# Altium PCB PicoBOB_DLX.pcbdoc (part 3 of 4)
Units mil, origin at the board's own origin, x right, y up, seen from the top; angles counter-clockwise.
Board outline 2219.49 x 2559.06 mil, 4 copper layers (Top Layer, G1_GND, G2_PWR, Bottom Layer), stack 23.756 mil thick; 146 components, 117 nets, 2972 pads, 241 vias.
Unrouted connection lines stored in the file: 14.
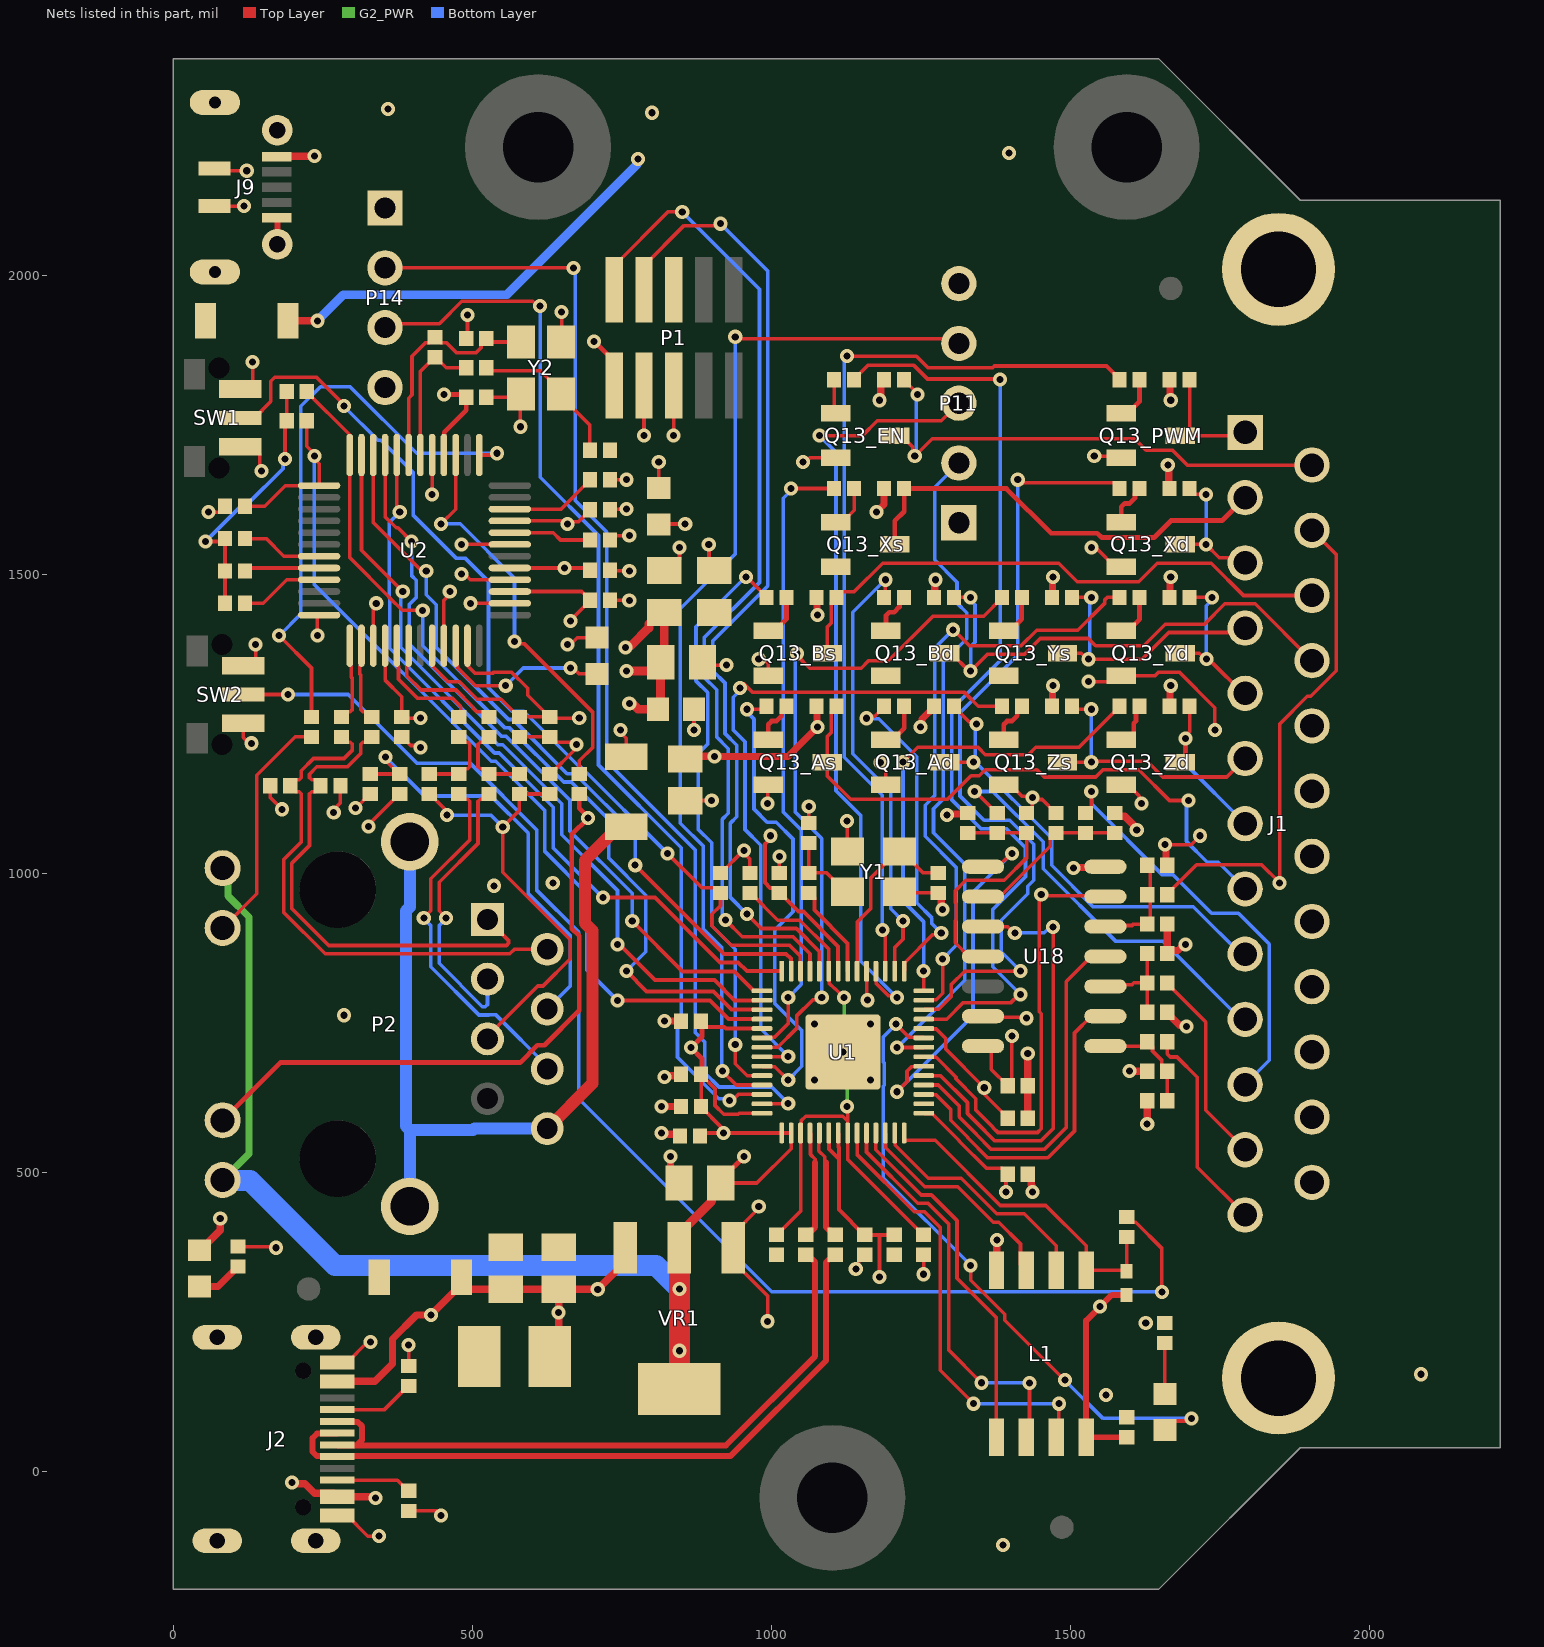
[diagram p5: the nets of this part, all layers, seen from the top]

## Via types
v1: diameter 23.62, hole 11.81, Top Layer to Bottom Layer, tented both sides, 241 vias

## Nets (pads, with @x,y where several pads share a name; then routed paths per layer and width w, separated by ;. In a path a pad name is that pad's centre, name@x,y a point inside that pad or via, vN(x,y) a via of type N, cw(c..) or ccw(c..) an arc to the next point about the centre after c; other vN are vias at no path point)
+3.3V: C1.2 C2.2 C4.2 C10.2 C11.2 C12.2 C13.2 C14.2 C15.2 C16.2 C17.2 C37.2 C38.2 C39.2 C48.1 L1.8 L2.1 P1.1 P2.9 P2.12 P14.1 R1.2 U1.1 U1.10 U1.22 U1.33 U1.42 U1.43 U1.44 U1.48 U1.49 U2.28 U18.14 VR1.2 | length 4600.9
  Top Layer w6: C12.2@880.91,561.02 885.83,565.94 v1(920.28,565.94) ; C17.2@882.87,663.39 906.18,640.08 906.18,611.77 920.67,597.28 944.78,597.28 946.42,598.92 U1.42@984.74,598.92 ; C17.2@882.87,664.37 882.87,609.25 v1@916.9,575.22 ; C14.2@884.35,750.49 891.69,743.16 921.87,743.16 924.37,740.65 U1.33@984.74,740.65 ; C4.2@915.94,482.28 976.03,482.28 1033.46,539.72 U1.44@1033.46,565.94 U1.43@1017.72,565.94 v1@925.04,565.94 ; U1.1@1255.41,598.92 1256.35,597.98 1269.64,597.98 1314.83,552.78 1314.83,552.04 1360.03,506.84 1386.86,506.84 1395.67,498.03 C10.2@1395.67,497.05 1392.72,494.1 1392.72,475.66 v1@1395.94,472.44 ; U1.10@1255.41,740.65 1256.23,739.83 1276.04,739.83 1291.79,724.08 1291.79,706.24 v1(1356.41,641.62) 1356.41,630.79 1395.67,591.54 C48.1@1395.67,590.55 ; U18.14@1354.33,711.22 1359.97,711.22 1368.11,703.08 1368.11,672.24 C15.2@1395.67,644.68 1402.56,651.57 v1(1402.56,728.35)
  Top Layer w6.69: C38.2@812.01,1583.86 812.8,1584.65 v1(856.3,1584.65) ; L2.1@821.26,1506.5 826.97,1506.5 846.46,1525.98 v1(846.46,1545.28) ; v1(895.67,1550.2) 895.67,1515.75 C37.2@904.92,1506.5 ; v1(999.02,1062.99) 999.02,1058.41 989.65,1049.04 989.65,984.48 998.14,975.98 1005.32,975.98 C2.2@1013.78,967.52 1014.76,967.52 1045.96,936.32 1054.03,936.32 1112.2,878.14 U1.22@1112.2,836.61 ; U1.48@1096.46,565.94 1097.05,565.35 1097.05,538.96 1113.61,522.4 ; U1.49@1112.2,565.94 1112.68,565.47 1112.68,542.26 1113.61,541.33 1113.61,522.4 ; v1(1181.1,324.8) 1181.1,395.67 C11.2@1156.5,395.67 1155.51,395.67 1113.61,437.57 1113.61,522.4 ; 1181.1,395.09 1205.13,395.09 C16.2@1205.71,395.67
  Top Layer w8: U2.28@452.76,1699.8 453.33,1700.38 453.33,1737.78 490.16,1774.61 C39.2@490.16,1796.26 485.24,1801.18 v1(452.76,1801.18) ; v1(703.74,1889.76) 703.94,1889.76 737.4,1856.3 P1.1@737.4,1815.94 ; C17.2@882.87,664.37 884.35,665.85 884.35,690.45 v1(866.14,708.66) 884.35,726.87 884.35,751.48 C14.2@882.87,752.95 ; C4.2@915.94,482.28 915.94,488.39 937.3,509.74 937.89,509.74 v1(954.72,526.57)
  Top Layer w10: C1.2@1594.49,57.09 L1.8@1526.77,57.09 1526.77,252.17 1569.88,295.28 R1.2@1594.49,295.28
  Top Layer w15: VR1.2@846.46,374.02 846.46,397.64 900.61,451.79 900.61,473.05 C4.2@915.94,488.39
  Top Layer w35: VR1.2@846.46,137.8 v1(846.46,201.77) v1(846.46,305.12) VR1.2@846.46,374.02
  G2_PWR w12: P2.12@82.68,487.2 126.79,531.31 126.79,927.13 91.91,962.01 91.91,999.63 P2.9@82.68,1008.86
  Bottom Layer w35: P2.12@82.68,487.2 83.46,486.42 128.73,486.42 270.67,344.49 807.09,344.49 v1(846.46,305.12)
  other v1: 1550.2,275.59 1392.72,467.52
+3.3V_A: C28.2 C29.2 C30.2 C31.2 C32.2 C33.2 C34.2 C35.2 L2.2 R11.1 R12.1 R13.1 R14.2 R23.1 R24.1 R25.1 R30.2 U2.4 U2.8 U2.11 U2.15 U2.17 U2.21 | length 2164.8
  Top Layer w6: v1(54.13,1555.12) 81.69,1555.12 R13.1@86.61,1560.04 R12.1@86.61,1505.91 R11.1@86.61,1451.77 ; R23.1@162.4,1146.65 162.4,1126.97 v1(182.09,1107.28) ; v1(187.01,1692.91) 187.01,1753.94 R14.2@189.96,1756.89 R30.2@189.96,1806.1 ; v1(268.44,1101.92) 268.44,1106.69 279.53,1117.77 R24.1@279.53,1146.65 ; v1(326.56,1078.6) 326.56,1081.48 377.95,1132.87 R25.1@378.94,1132.87 ; U2.4@354.33,1380.91 354.33,1323.59 382.22,1295.7 C35.2@382.22,1261.81 384.19,1259.84 v1(413.39,1259.84) ; U2.8@433.07,1380.91 434.03,1379.94 434.03,1346.37 459.7,1320.71 479.15,1320.71 508.68,1291.17 548.72,1291.17 578.08,1261.81 C34.2@628.94,1261.81 ; U2.11@492.13,1380.91 493.09,1379.94 493.09,1346.37 504.97,1334.48 534.11,1334.48 536.41,1336.78 565.55,1336.78 592.84,1309.49 592.84,1297.91 C34.2@628.94,1261.81 ; U2.15@562.99,1471.46 683.07,1471.46 696.85,1457.68 696.85,1455.71 664.37,1423.23 v1(664.37,1422.24) ; U2.17@562.99,1510.83 693.16,1510.83 C32.2@696.85,1507.14 ; U2.21@562.99,1589.57 649.76,1589.57 654.68,1584.65 v1(659.45,1584.65) 662.82,1588.02 677.83,1588.02 696.85,1607.04 C33.2@696.85,1608.02 ; v1(679.13,1259.84) 631.89,1259.84 C34.2@629.92,1261.81 C34.2@628.94,1261.81
  Top Layer w15: v1(756.69,1377.95) 759.93,1381.19 766.03,1381.19 795.67,1410.83 795.67,1416.93 815.16,1436.42 L2.2@821.26,1436.42 821.26,1359.45 C28.2@815.16,1353.35 ; v1(757.87,1338.58) 800.39,1338.58 C28.2@815.16,1353.35 ; v1(762.8,1284.45) 767.56,1284.45 777.41,1274.61 C29.2@810.63,1274.61 815.16,1279.13 C28.2@815.16,1353.35
  Bottom Layer w6: v1(54.13,1555.12) 116.75,1617.73 124.39,1617.73 183.64,1676.98 183.64,1689.54 v1(187.01,1692.91)
  other v1: 654.53,1510.83
+5V: C3.2 C18.2 C40.2 C41.1 D1.A D3.2 D4.2 J2.A4B9 J2.B4A9 J9.1 P11.1 R7.2 R56_Ad.2 R56_As.2 R56_Bd.2 R56_Bs.2 R56_EN.2 R56_PWM.2 R56_Xd.2 R56_Xs.2 R56_Yd.2 R56_Ys.2 R56_Zd.2 R56_Zs.2 R65.2 R69.2 R73.2 R75.2 VR1.3 | length 2619.6
  Top Layer w12: D1.A@44.29,369.88 45.28,369.88 78.74,403.35 v1(78.74,423.23) ; J9.1@173.23,2198.82 173.72,2199.31 235.73,2199.31 v1(236.22,2199.8) ; D4.2@191.93,1924.21 v1(241.14,1924.21) ; v1(198.96,-18.35) 201.18,-20.57 220.56,-20.57 236.5,-36.51 268.6,-36.51 J2.B4A9@274.41,-42.32 336.61,-42.32 v1(338.58,-44.29) ; J2.A4B9@274.41,150.59 337.6,150.59 366.91,179.91 366.91,221.32 407.38,261.79 v1(431.08,261.79) 482.28,312.99 D3.2@482.28,316.24 ; D3.2@482.28,324.8 D3.2@482.28,316.24 ; C41.1@629.92,191.93 644.69,206.69 C18.2@644.69,304.53 ; VR1.3@755.91,374.02 755.91,350.39 v1(710.04,304.53) C18.2@644.69,304.53 ; C40.2@856.3,1191.54 860.63,1195.87 v1(905.51,1195.87) 905.72,1195.65 1028.33,1195.65 v1(1077.76,1245.08) 1076.77,1246.06 1076.77,1278.54 R56_As.2@1075.79,1279.53 ; R56_Bs.2@1075.79,1461.61 1076.77,1460.63 1076.77,1433.07 v1(1077.76,1432.09) ; v1(1176.18,1604.33) 1188.98,1617.13 R56_Xs.2@1188.98,1643.7 ; v1(1181.1,1791.34) 1183.33,1793.56 1183.33,1820.14 R56_EN.2@1188.98,1825.79 ; v1(1250,1245.08) 1252.22,1247.3 1252.22,1258.13 1272.64,1278.54 R56_Ad.2@1272.64,1279.53 ; R56_Bd.2@1272.64,1461.61 1273.62,1462.6 1273.62,1490.16 v1(1274.61,1491.14) ; v1(1294.29,1097.44) 1296.26,1099.41 1326.77,1099.41 R7.2@1328.74,1101.38 ; R56_Zs.2@1469.49,1279.53 1470.47,1280.51 1470.47,1312.99 v1(1471.46,1313.98) ; R56_Ys.2@1469.49,1461.61 1470.47,1462.6 1470.47,1495.08 v1(1471.46,1496.06) ; R75.2@1574.8,1101.38 1580.61,1095.57 1591.54,1095.57 1611.41,1075.7 v1(1611.41,1072.83) ; v1(1599.41,669.29) R65.2@1628.94,669.29 ; R73.2@1662.4,915.35 R69.2@1662.4,866.14 1667.56,871.3 1680.21,871.3 1689.82,880.91 v1(1692.91,880.91) ; v1(1663.39,1683.07) 1664.86,1681.59 1664.86,1645.18 R56_Xd.2@1666.34,1643.7 ; R56_Zd.2@1666.34,1279.53 1667.32,1280.51 1667.32,1312.99 v1(1668.31,1313.98) ; R56_Yd.2@1666.34,1461.61 1667.32,1462.6 1667.32,1495.08 v1(1668.31,1496.06) ; R56_PWM.2@1666.34,1825.79 1667.32,1824.8 1667.32,1792.32 v1(1668.31,1791.34) ; D3.2@482.28,316.24 494,304.53 C3.2@556.1,304.53 C18.2@644.69,304.53
  Bottom Layer w15: v1(241.14,1924.21) 284.7,1967.78 557.95,1967.78 775.91,2185.73 775.91,2193.23 v1(777.56,2194.88)
  other v1: 644.68,265.75
BOOT: R2.1 SW2.2 | length 2325.9
  Top Layer w6: SW2.2@117.13,1299.21 v1(191.93,1299.21) ; R2.1@1594.49,425.2 1603.3,416.39 1609.99,416.39 1653.54,372.83 v1(1653.54,300.2)
  Bottom Layer w6: v1(191.93,1299.21) 292.55,1299.21 407.19,1184.58 496.41,1184.58 607.67,1073.32 607.67,972.37 678.1,901.93 678.1,623.31 1001.22,300.2 v1(1653.54,300.2)
DIR_A: R83_Ad.1 U1.15 | length 557.4
  Top Layer w6: v1(1159.24,1259.58) 1162.61,1262.95 1173.38,1262.95 1188.98,1278.54 R83_Ad.1@1188.98,1279.53 ; U1.15@1222.44,836.61 1223.38,837.55 1223.38,850.84 1269.76,897.22 1281.08,897.22 v1(1284.45,900.59)
  Bottom Layer w6: v1(1159.24,1259.58) 1160.11,1258.7 1180.05,1258.7 1243.49,1195.26 1243.49,950.76 1268.92,925.32 1268.92,916.12 v1(1284.45,900.59)
DIR_A_5V: J1.9 Q13_Ad.3 R56_Ad.1 | length 781
  Top Layer w6: Q13_Ad.3@1290.42,1186.02 v1(1338.58,1186.02) ; R56_Ad.1@1306.1,1279.53 1306.1,1278.54 1331.27,1253.37 1340.13,1253.37 v1(1343.5,1250)
  Bottom Layer w6: v1(1343.5,1250) 1341.04,1247.54 1341.04,1188.48 v1(1338.58,1186.02) 1341.65,1186.02 1469.09,1058.58 1469.09,1013.43 1538.19,944.32 1706.07,944.32 J1.9@1792.72,857.68
DIR_B: R83_Bd.1 U1.16 | length 748
  Top Layer w6: R83_Bd.1@1188.98,1461.61 1190.94,1463.58 v1(1190.94,1491.14) ; U1.16@1206.69,836.61 1206.69,876.28 1220.47,890.06 v1(1220.47,920.28)
  Bottom Layer w6: v1(1190.94,1491.14) 1136.43,1436.63 1136.43,1200.23 1200.02,1136.63 1200.02,940.72 v1(1220.47,920.28)
DIR_B_5V: J1.17 Q13_Bd.3 R56_Bd.1 | length 886.3
  Top Layer w6: Q13_Bd.3@1290.42,1368.11 1301.24,1368.11 1330.77,1338.58 v1(1333.66,1338.58) 1361.82,1366.74 1423.8,1366.74 1449.94,1392.88 1530.41,1392.88 1542.55,1380.74 1623.02,1380.74 1659.23,1416.95 1724.79,1416.95 1758.69,1450.85 1809.5,1450.85 J1.17@1904.53,1355.81 J1.17@1904.53,1348.45 ; R56_Bd.1@1306.1,1461.61 v1(1333.66,1461.61)
  Bottom Layer w6: v1(1333.66,1338.58) 1333.66,1379.4 1340.94,1386.68 1340.94,1449.57 1333.66,1456.85 v1(1333.66,1461.61)
DIR_X: R83_Xd.1 U1.12 | length 1351.6
  Top Layer w6: U1.12@1255.41,772.15 1256.23,772.96 1280.09,772.96 1300.92,793.8 1300.92,813.68 1323.85,836.61 v1(1417.32,836.61) ; v1(1412.4,1658.46) 1417.17,1658.46 1422.14,1653.5 1573.87,1653.5 1582.68,1644.69 R83_Xd.1@1582.68,1643.7
  Bottom Layer w6: v1(1412.4,1658.46) 1412.4,1365.28 1315.78,1268.65 1315.78,1129.4 1356.12,1089.05 1399.02,1089.05 1439.36,1048.71 1439.36,988.71 1428.97,978.32 1428.97,966.26 1384.68,921.96 1384.68,869.26 v1(1417.32,836.61)
DIR_X_5V: J1.3 Q13_Xd.3 R56_Xd.1 | length 240.3
  Top Layer w6: Q13_Xd.3@1684.12,1550.2 v1(1727.36,1550.2) 1749.42,1528.14 1776.59,1528.14 J1.3@1792.72,1512.01 ; R56_Xd.1@1699.8,1643.7 1699.8,1642.72 1708.61,1633.91 v1(1727.31,1633.91)
  Bottom Layer w6: v1@1727.33,1550.22 v1(1727.31,1633.91)
DIR_Y: R83_Yd.1 U1.13 | length 1021
  Top Layer w6: U1.13@1255.41,787.89 1256.23,788.71 1276.04,788.71 1286.92,799.6 v1(1286.92,857.05) ; v1(1304.13,1407.48) 1304.98,1407.48 1331.72,1380.74 1418,1380.74 1444.14,1406.88 1512.95,1406.88 1558.24,1452.17 1558.24,1457.98 1561.87,1461.61 R83_Yd.1@1582.68,1461.61
  Bottom Layer w6: v1(1286.92,857.05) 1309.55,879.68 1309.55,1010.02 1257.49,1062.08 1257.49,1113.92 1273.78,1130.21 1273.78,1377.13 v1(1304.13,1407.48)
DIR_Y_5V: J1.5 Q13_Yd.3 R56_Yd.1 | length 285.6
  Top Layer w6: Q13_Yd.3@1684.12,1368.11 1716.2,1368.11 1725.55,1358.76 1731.55,1358.76 1792.72,1297.59 J1.5@1792.72,1293.9 ; R56_Yd.1@1699.8,1461.61 v1(1737.2,1461.61)
  Bottom Layer w6: v1(1727.85,1358.76) 1727.85,1447.5 1737.2,1456.85 v1(1737.2,1461.61)
DIR_Z: R83_Zd.1 U1.14 | length 808.4
  Top Layer w6: v1(1220.47,1186.02) 1245.24,1210.8 1346.06,1210.8 1358.2,1198.65 1430.49,1198.65 1442.64,1210.8 1514.93,1210.8 1582.68,1278.54 R83_Zd.1@1582.68,1279.53 ; v1(1254.92,836.61) 1254.92,804.13 U1.14@1255.41,803.64
  Bottom Layer w6: v1(1220.47,1186.02) 1220.47,953.97 1254.92,919.52 v1(1254.92,836.61)
DIR_Z_5V: J1.7 Q13_Zd.3 R56_Zd.1 | length 290.9
  Top Layer w6: Q13_Zd.3@1684.12,1186.02 1692.91,1194.82 1692.91,1230.16 1699.8,1237.05 R56_Zd.1@1699.8,1279.53
  Bottom Layer w6: v1(1692.91,1225.39) 1692.91,1182.97 J1.7@1792.72,1083.17 J1.7@1792.72,1075.79
GND: C1.1 C2.1 C3.1 C4.1 C5.2 C6.2 C7.1 C8.1 C9.1 C10.1 C11.1 C12.1 C13.1 C14.1 C15.1 C16.1 C17.1 C18.1 C19.1 C20.1 C23.1 C24.1 C25.1 C26.1 C27.1 C28.1 C29.1 C30.1 C31.1 C32.1 C33.1 C34.1 C35.1 C36.1 C37.1 C38.1 C39.1 C40.1 C41.2 C42.1 C43.1 C48.2 C49.1 C50.1 C51.1 C53.1 D3.1 D4.1 J1.18 J1.19 J1.20 J1.21 J1.22 J1.23 J1.24 J1.25 J1.M1 J1.M2 J2.A1B12 J2.B1A12 J2.S1 J2.S2 J2.S3 J2.S4 J9.5 J9.S1 J9.S2 J9.S3 J9.S4 J9.S5 J9.S6 L1.4 P1.3 P1.5 P11.5 P14.4 Q13_Ad.2 Q13_As.2 Q13_Bd.2 Q13_Bs.2 Q13_EN.2 Q13_PWM.2 Q13_Xd.2 Q13_Xs.2 Q13_Yd.2 Q13_Ys.2 Q13_Zd.2 Q13_Zs.2 R5.2 R6.2 R10.2 R15.1 R22.1 SW1.1 SW1.3 SW2.1 SW2.3 U1.19 U1.57 U2.3 U2.9 U2.14 U2.16 U2.19 U2.29 U2.48 U18.7 U18.13 VR1.1 Y1.2 Y1.4 Y2.2 Y2.4 | length 4313.8
  Top Layer w6: v1(59.06,1604.33) 59.1,1604.38 77.8,1604.38 86.61,1613.19 C42.1@86.61,1614.17 ; J9.S1@68.9,2116.14 v1(118.11,2116.14) ; J9.S2@68.9,2179.13 72.83,2175.2 v1(123.03,2175.2) ; R10.2@108.27,375.98 170.28,375.98 v1(172.24,374.02) ; SW1.3@112.2,1713.58 132.87,1713.58 144.64,1701.82 144.64,1676.23 v1(147.64,1673.23) ; SW1.1@112.2,1810.04 121.11,1810.04 132.87,1821.8 v1(132.87,1855.32) ; SW2.3@117.13,1250.98 117.13,1227.42 126.9,1217.64 v1(130.86,1217.64) ; SW2.1@117.13,1347.44 126.03,1347.44 137.8,1359.2 v1(137.8,1382.87) ; v1(241.14,1397.64) 241.14,1429.77 243.46,1432.09 U2.48@244.09,1432.09 ; J2.B1A12@274.41,-73.82 291.14,-73.82 325.59,-108.27 v1(344.49,-108.27) ; J2.A1B12@274.41,182.09 291.14,182.09 325.59,216.54 v1(329.72,216.54) ; v1(305.12,1109.25) 328.74,1132.87 C25.1@329.72,1132.87 ; U2.3@334.65,1380.91 334.65,1442.08 339.57,1447 v1(339.57,1451.77) ; C35.1@382.22,1228.35 383.2,1228.35 397.55,1214 410.01,1214 v1(413.39,1210.63) ; R5.2@393.7,-65.95 439.96,-65.95 v1(447.83,-73.82) ; R6.2@393.7,176.18 v1(393.7,211.61) ; v1(433.07,1633.86) U2.29@433.07,1699.8 ; U2.9@452.76,1380.91 452.76,1456.85 462.6,1466.69 v1(462.6,1471.46) ; v1(482.28,1500.98) 487.05,1500.98 496.89,1491.14 U2.16@562.99,1491.14 ; v1(482.28,1550.2) U2.19@562.99,1550.2 ; C27.1@490.16,1894.69 492.13,1896.65 v1(492.13,1934.06) ; v1(497.05,1451.77) U2.14@562.99,1451.77 ; C39.1@523.62,1796.26 575.79,1796.26 Y2.4@581.69,1802.17 580.71,1801.18 v1(580.71,1747.05) ; C30.1@579.07,1228.35 C34.1@629.92,1228.35 638.73,1219.54 665.46,1219.54 669.44,1215.55 v1(674.21,1215.55) 670.84,1212.18 670.84,1206.27 630.91,1166.34 C19.1@629.92,1166.34 ; Y2.2@648.62,1888.78 649.61,1889.76 v1(649.61,1938.98) ; v1(659.45,1382.87) 664.22,1382.87 675.63,1394.29 R22.1@708.66,1394.29 ; C31.1@730.31,1456.69 v1(762.8,1456.69) ; C32.1@730.31,1507.14 731.55,1505.91 v1(762.8,1505.91) ; C23.1@730.32,1557.58 737.7,1564.96 v1(762.8,1564.96) ; C33.1@730.31,1608.02 731.55,1609.25 v1(757.87,1609.25) ; C24.1@730.31,1658.46 v1(757.87,1658.46) ; v1(748.03,1240.16) 748.03,1236.17 757.87,1226.32 C36.1@757.87,1195.08 ; v1(787.4,1732.28) P1.3@787.4,1815.94 ; C38.1@812.01,1644.49 v1(812.01,1687.99) ; v1(836.61,1732.28) 837.4,1733.07 P1.5@837.4,1815.94 ; C40.1@856.3,1121.46 856.89,1122.05 v1(900.59,1122.05) ; v1(871.06,1240.16) 871.06,1274.41 C29.1@871.26,1274.61 ; C28.1@885.24,1353.35 890.16,1348.43 v1(925.2,1348.43) ; C43.1@915.35,1000.98 916.34,1000.98 953.74,1038.39 v1(954.72,1038.39) 954.72,1033.62 964.57,1023.77 C8.1@964.57,1000.98 ; v1(979.33,442.91) 979.33,439.96 937.01,397.64 VR1.1@937.01,374.02 937.01,350.39 994.09,293.31 v1(994.09,250.98) ; v1(979.33,1358.27) 982.7,1354.9 990.81,1354.9 995.14,1350.57 Q13_Bs.2@995.14,1330.71 ; v1(994.09,1117.13) 994.09,1147.57 Q13_As.2@995.14,1148.62 ; C9.1@1003.94,357.28 C9.1@1008.86,362.2 ; C2.1@1013.78,1000.98 v1(1013.78,1028.54) ; v1(1053.15,1687.99) 1057.92,1687.99 1064.81,1694.88 Q13_EN.2@1108.33,1694.88 ; C6.2@1062.99,1084.65 v1(1062.99,1112.2) ; v1(1126.97,1087.6) 1126.97,1037.46 Y1.2@1127.95,1036.48 ; v1(1141.59,338.77) 1141.59,343.54 1146.7,348.65 1146.7,353.39 C11.1@1155.51,362.2 ; U1.19@1159.45,836.61 1160.15,835.92 1160.15,788.67 v1(1160.84,787.98) ; v1(1183.07,1185.83) 1183.07,1181.07 1191.99,1172.15 Q13_Ad.2@1191.99,1148.62 ; Y1.4@1216.6,967.52 C5.2@1279.53,967.52 ; v1(1254.92,329.72) C7.1@1254.92,362.2 ; U18.13@1354.33,761.22 1356,759.55 1425.49,759.55 v1(1427.17,757.87) ; Q13_Zs.2@1388.84,1148.62 1399.67,1148.62 1418.93,1129.36 1434.62,1129.36 v1(1437.01,1126.97) ; C20.1@1427.17,1101.38 1428.15,1101.38 1436.96,1110.19 1436.96,1126.92 v1(1437.01,1126.97) ; C53.1@1476.38,1101.38 1475.39,1101.38 1453.17,1123.6 1440.38,1123.6 v1(1437.01,1126.97) ; v1(1530.51,1320.87) 1575.85,1320.87 Q13_Yd.2@1585.69,1330.71 1641.97,1330.71 1648.04,1336.78 1682.7,1336.78 1742.13,1277.36 v1(1742.13,1240.16) ; v1(1535.69,1545.28) 1539.06,1541.9 1545.76,1541.9 1574.87,1512.8 Q13_Xd.2@1585.69,1512.8 ; v1(1540.35,1697.83) 1582.74,1697.83 Q13_PWM.2@1585.69,1694.88 ; Q13_Zd.2@1585.69,1148.62 1596.52,1148.62 1615.72,1129.42 1615.72,1120.5 v1(1619.09,1117.13) ; v1(1658.46,1048.23) 1702.76,1048.23 v1(1717.52,1062.99)
  Top Layer w10: J9.5@173.23,2096.46 174.21,2095.47 J9.S4@174.21,2052.17
  Top Layer w12: v1(816.93,565.94) 819.15,563.72 844.74,563.72 C12.1@847.44,561.02 ; v1(816.93,610.24) C13.1@849.41,610.24 ; v1(821.85,659.45) 824.07,661.67 846.71,661.67 C17.1@849.41,664.37 ; v1(821.85,752.95) C14.1@849.41,752.95 ; v1(831.69,526.57) 831.69,496.46 C4.1@845.87,482.28 ; C5.2@1279.53,967.52 1284.52,962.53 1284.52,941.97 v1(1286.74,939.75) ; L1.4@1376.77,336.61 1377.36,337.2 1377.36,386.6 v1(1377.95,387.19) ; C10.1@1429.13,497.05 1434.94,491.24 1434.94,479.43 v1@1437.01,477.36 ; C48.2@1429.13,590.55 C15.1@1429.13,644.68 v1(1429.13,698.82) ; v1(1505.91,1008.86) 1507.09,1010.04 1557.87,1010.04 U18.7@1559.06,1011.22 ; v1(1628.94,580.71) C49.1@1628.94,620.08 ; v1(1658.46,1048.23) 1660.43,1046.26 1660.43,1015.75 C51.1@1662.4,1013.78 ; C50.1@1662.4,767.72 1662.4,766.73 1682.9,746.24 1692.12,746.24 v1(1694.34,744.01)
  other v1: 1387.8,-123.03 1560.04,127.95 2086.61,162.4 1626.48,248.03 1437.01,467.52 1072.83,654.53 1166.34,654.53 1120.08,701.28 1072.83,748.03 1166.34,748.03 285.43,762.8 536.42,979.33 634.84,984.25 1397.64,2204.72 800.59,2272.12 359.25,2278.54
GPIO0: U1.2
GPIO6: P11.2 U1.8 | length 1153
  Top Layer w6: v1(1210.63,708.66) 1210.88,708.91 1255.17,708.91 U1.8@1255.41,709.15
  Bottom Layer w6: v1(1210.63,708.66) 1323.55,821.58 1323.55,1015.82 1271.49,1067.88 1271.49,1108.12 1287.78,1124.41 1287.78,1353.32 1326.94,1392.47 1326.94,1436.09 1310.86,1452.17 1310.86,1487.14 1273.46,1524.54 1273.46,1645.9 P11.2@1313.98,1686.42
GPIO_LED: D2.A U1.9 | length 1077.7
  Top Layer w6: v1(1208.78,748.03) 1231.09,725.72 1254.59,725.72 U1.9@1255.41,724.9 ; v1(1333.66,344.49) 1333.66,319.89 1390.77,262.78 1390.77,252.93 v1(1491.14,152.56) ; D2.A@1658.46,68.9 1673.77,84.2 1693.61,84.2 1697.99,88.58 v1(1702.76,88.58)
  Bottom Layer w6: v1(1208.78,748.03) 1187.83,727.08 1187.83,684.61 1189.14,683.3 1189.14,645.6 1187.83,644.29 1187.83,490.32 v1(1333.66,344.49) ; v1(1491.14,152.56) 1555.12,88.58 v1(1702.76,88.58)
GRN_LED: R28.1 U2.25 | length 975.2
  Top Layer w6: v1(177.17,1397.64) 231.3,1343.5 R28.1@231.3,1261.81 ; U2.25@511.81,1699.8 538.39,1699.8 v1(541.34,1702.76)
  Bottom Layer w6: v1(177.17,1397.64) 213.42,1433.89 213.42,1781.1 246.46,1814.14 295.68,1814.14 407.07,1702.76 v1(541.34,1702.76)
HALT: U1.5 U18.10 | length 743.8
  Top Layer w6: U1.5@1255.41,661.91 1283.32,661.91 1328.41,616.82 1328.41,598.6 1356.83,570.18 1356.83,569.44 1373.51,552.76 1451.3,552.76 1471.46,572.92 v1(1471.46,910.43) ; U18.10@1354.33,911.22 1354.72,910.83 1395.83,910.83 1406.06,900.59 v1(1407.48,900.59)
  Bottom Layer w6: v1(1407.48,900.59) 1456.85,900.59 1466.69,910.43 v1(1471.46,910.43)
HALT_5V: J1.10 R9.1 | length 692
  Top Layer w6: v1(1340.43,1137) 1341.35,1137 1376.97,1101.38 R9.1@1377.95,1101.38
  Bottom Layer w6: v1(1340.43,1137) 1370.87,1137 1455.09,1052.78 1455.09,1007.63 1575.82,886.89 1654.68,886.89 1792.72,748.85 J1.10@1792.72,748.62
HALT_KEYPAD: P11.3 U1.18 | length 1326.5
  Top Layer w6: v1(1080.73,1732.28) 1152.82,1732.28 1177.6,1757.06 1284.61,1757.06 P11.3@1313.98,1786.42 ; U1.18@1175.2,836.61 1176.02,835.8 1176.02,815.99 1196.31,795.69 1207.26,795.69 v1(1210.63,792.32)
  Bottom Layer w6: v1@1090.42,1737.2 1085.5,1732.28 v1(1080.73,1732.28) 1108.43,1704.58 1108.43,1138.38 1149.77,1097.04 1149.77,853.18 v1(1210.63,792.32)
KPSTR: P11.4 U1.39 | length 1749.6
  Top Layer w6: v1(918.5,669.29) 941.63,646.16 U1.39@984.74,646.16 ; v1(939.96,1897.45) 943.33,1894.08 1306.32,1894.08 P11.4@1313.98,1886.42
  Bottom Layer w6: v1(918.5,669.29) 917.16,670.63 917.16,876.42 886.76,906.83 886.76,1045.35 848.26,1083.85 848.26,1442.41 939.96,1534.11 v1(939.96,1897.45)
NetC6_1: C6.1 R8.1 Y1.3 | length 128.2
  Top Layer w6: C6.1@1062.99,1051.18 R8.1@1062.99,1000.98 1092.58,1000.98 1124.02,969.55 Y1.3@1127.95,969.55
NetC19_2: C19.2 P2.5 R20.1 R21.1 | length 731.3
  Top Layer w6: R21.1@428.15,1132.87 429.13,1132.87 454.31,1107.7 454.31,1100.81 v1(457.68,1097.44) ; P2.5@525.59,723.23 525.59,727.69 609.64,811.74 618.57,811.74 664.1,857.28 664.1,889.18 551.18,1002.1 v1(551.18,1077.76) 579.07,1105.64 R20.1@579.07,1132.87 C19.2@629.92,1132.87
  Bottom Layer w6: v1(457.68,1097.44) 531.5,1097.44 v1(551.18,1077.76)
NetC20_2: C20.2 R7.1 R9.2 U18.11 | length 426.5
  Top Layer w6: R7.1@1328.74,1067.91 C20.2@1427.17,1067.91 1427.17,1025.82 1389.76,988.42 1325.66,988.42 1307.91,970.67 1307.91,950.84 1309.55,949.19 1309.55,922.31 1307.91,920.67 1307.91,884.02 1330.71,861.22 U18.11@1354.33,861.22
NetC23_2: C23.2 U2.20 | length 139
  Top Layer w6: U2.20@562.99,1569.88 635.49,1569.88 647.79,1557.58 C23.2@696.85,1557.58
NetC24_2: C24.2 U2.22 | length 154.8
  Top Layer w6: U2.22@562.99,1609.25 648.62,1609.25 696.85,1657.48 C24.2@696.85,1658.46
NetC25_2: C25.2 P2.4 R25.2 | length 718.5
  Top Layer w6: C25.2@329.72,1166.34 R25.2@378.94,1166.34 ; v1(354.76,1194.95) 358.13,1191.58 358.13,1186.16 R25.2@377.95,1166.34
  Bottom Layer w6: v1(354.76,1194.95) 420.16,1129.55 531.64,1129.55 593.67,1067.52 593.67,966.57 664.1,896.14 664.1,811.74 P2.4@625.59,773.23
NetC26_2: C26.2 R27.2 Y2.1 | length 259.7
  Top Layer w6: R27.2@523.62,1845.47 528.38,1840.72 614.01,1840.72 648.62,1806.1 648.62,1798.23 696.85,1750 C26.2@696.85,1707.68